# Altium PCB PMB.PcbDoc
Units mil, origin at the board's own origin, x right, y up, seen from the top; angles counter-clockwise.
Board outline 2500 x 2500 mil, 2 copper layers (PWR, GND), stack 61.811 mil thick; 41 components, 22 nets, 116 pads, 399 vias.
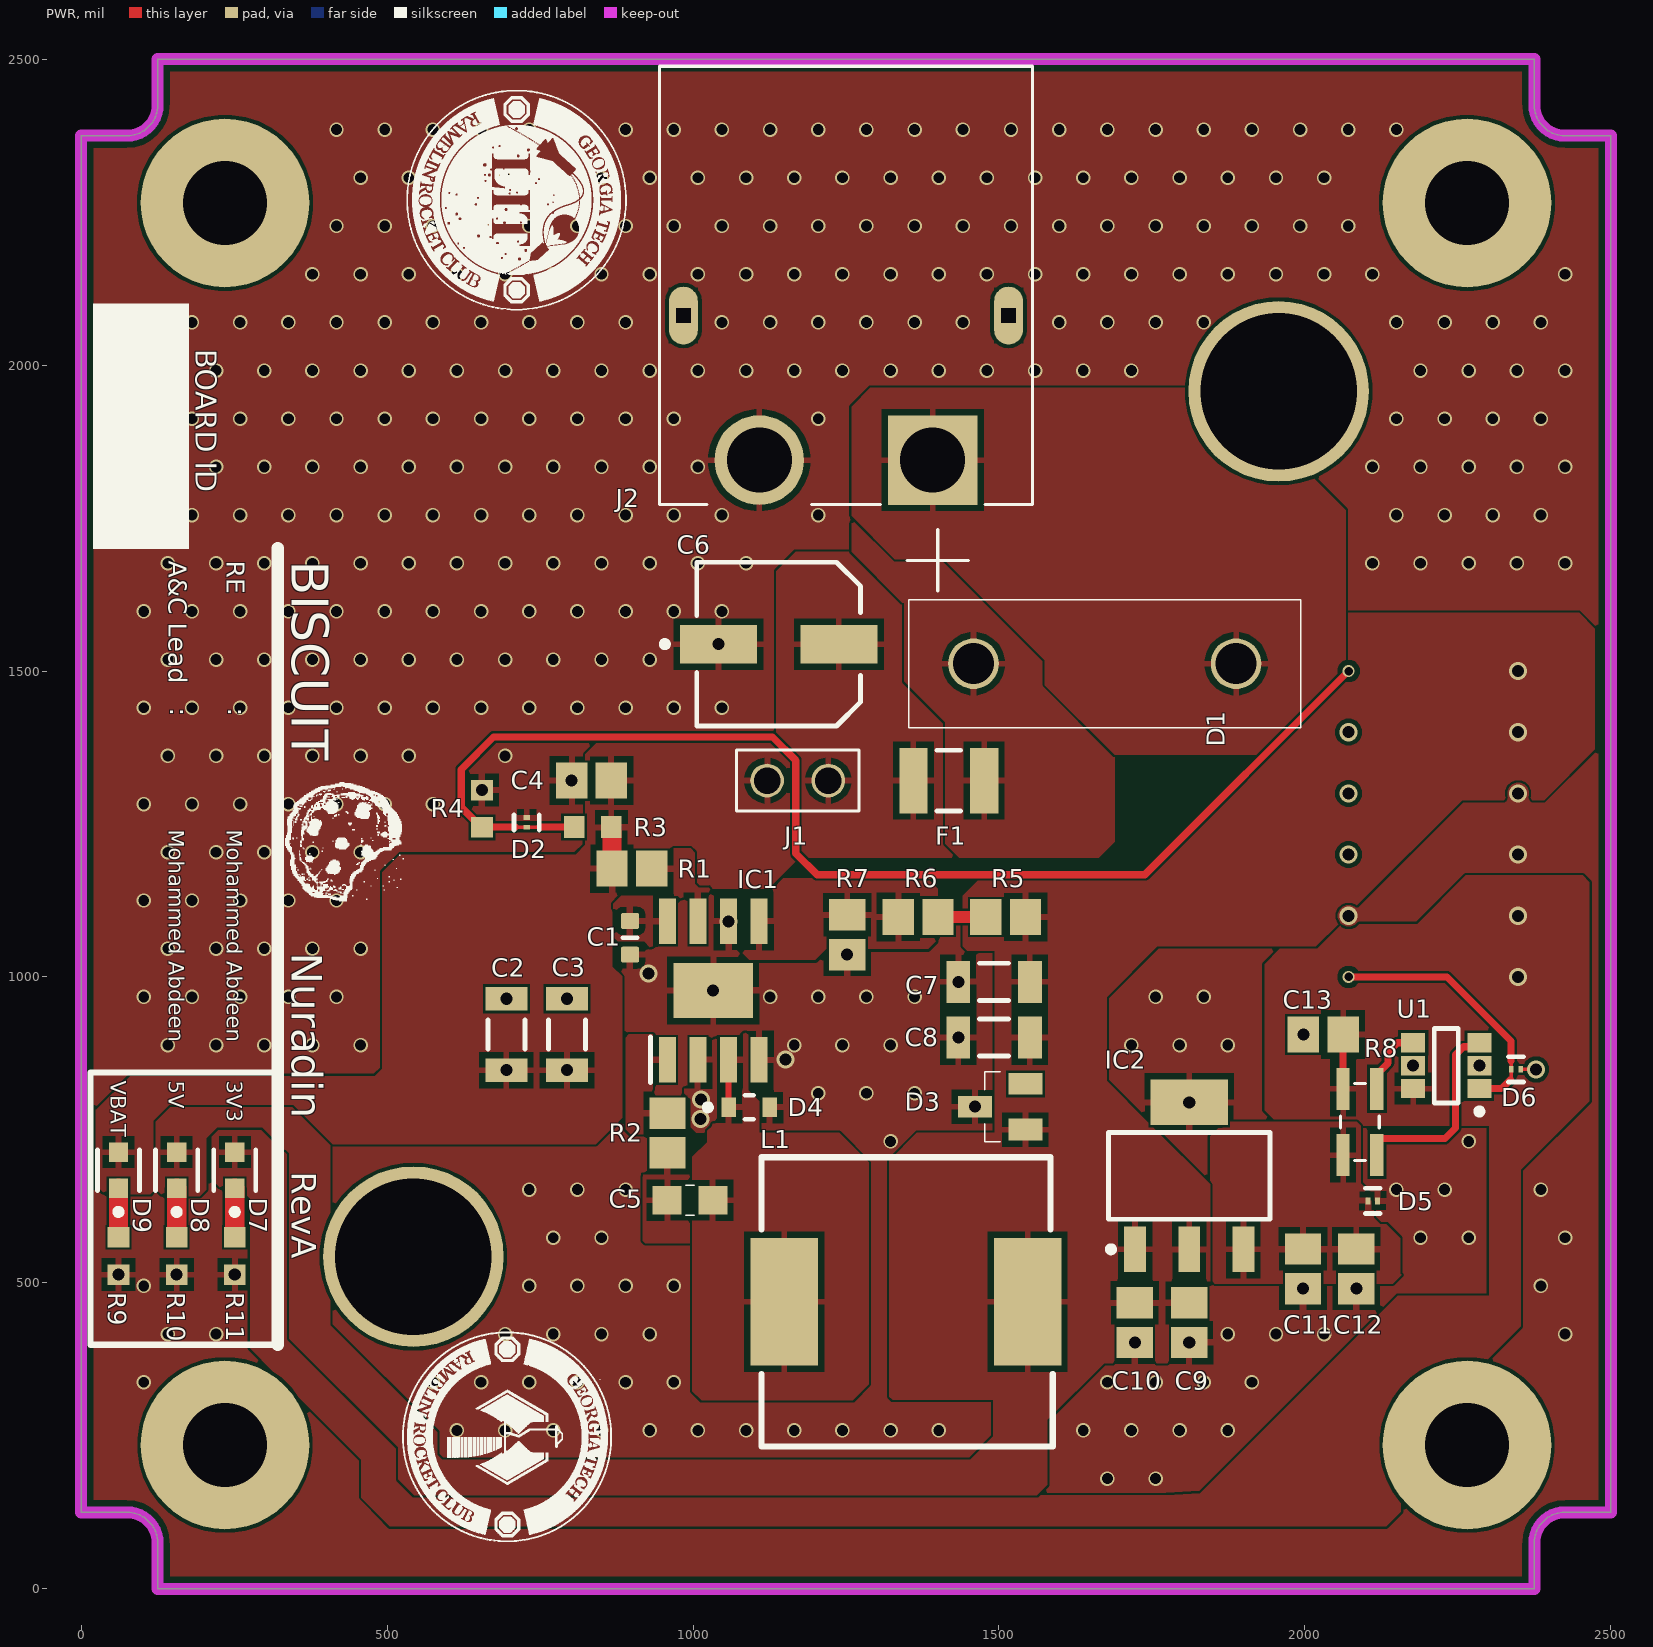
[diagram p0: PWR view]
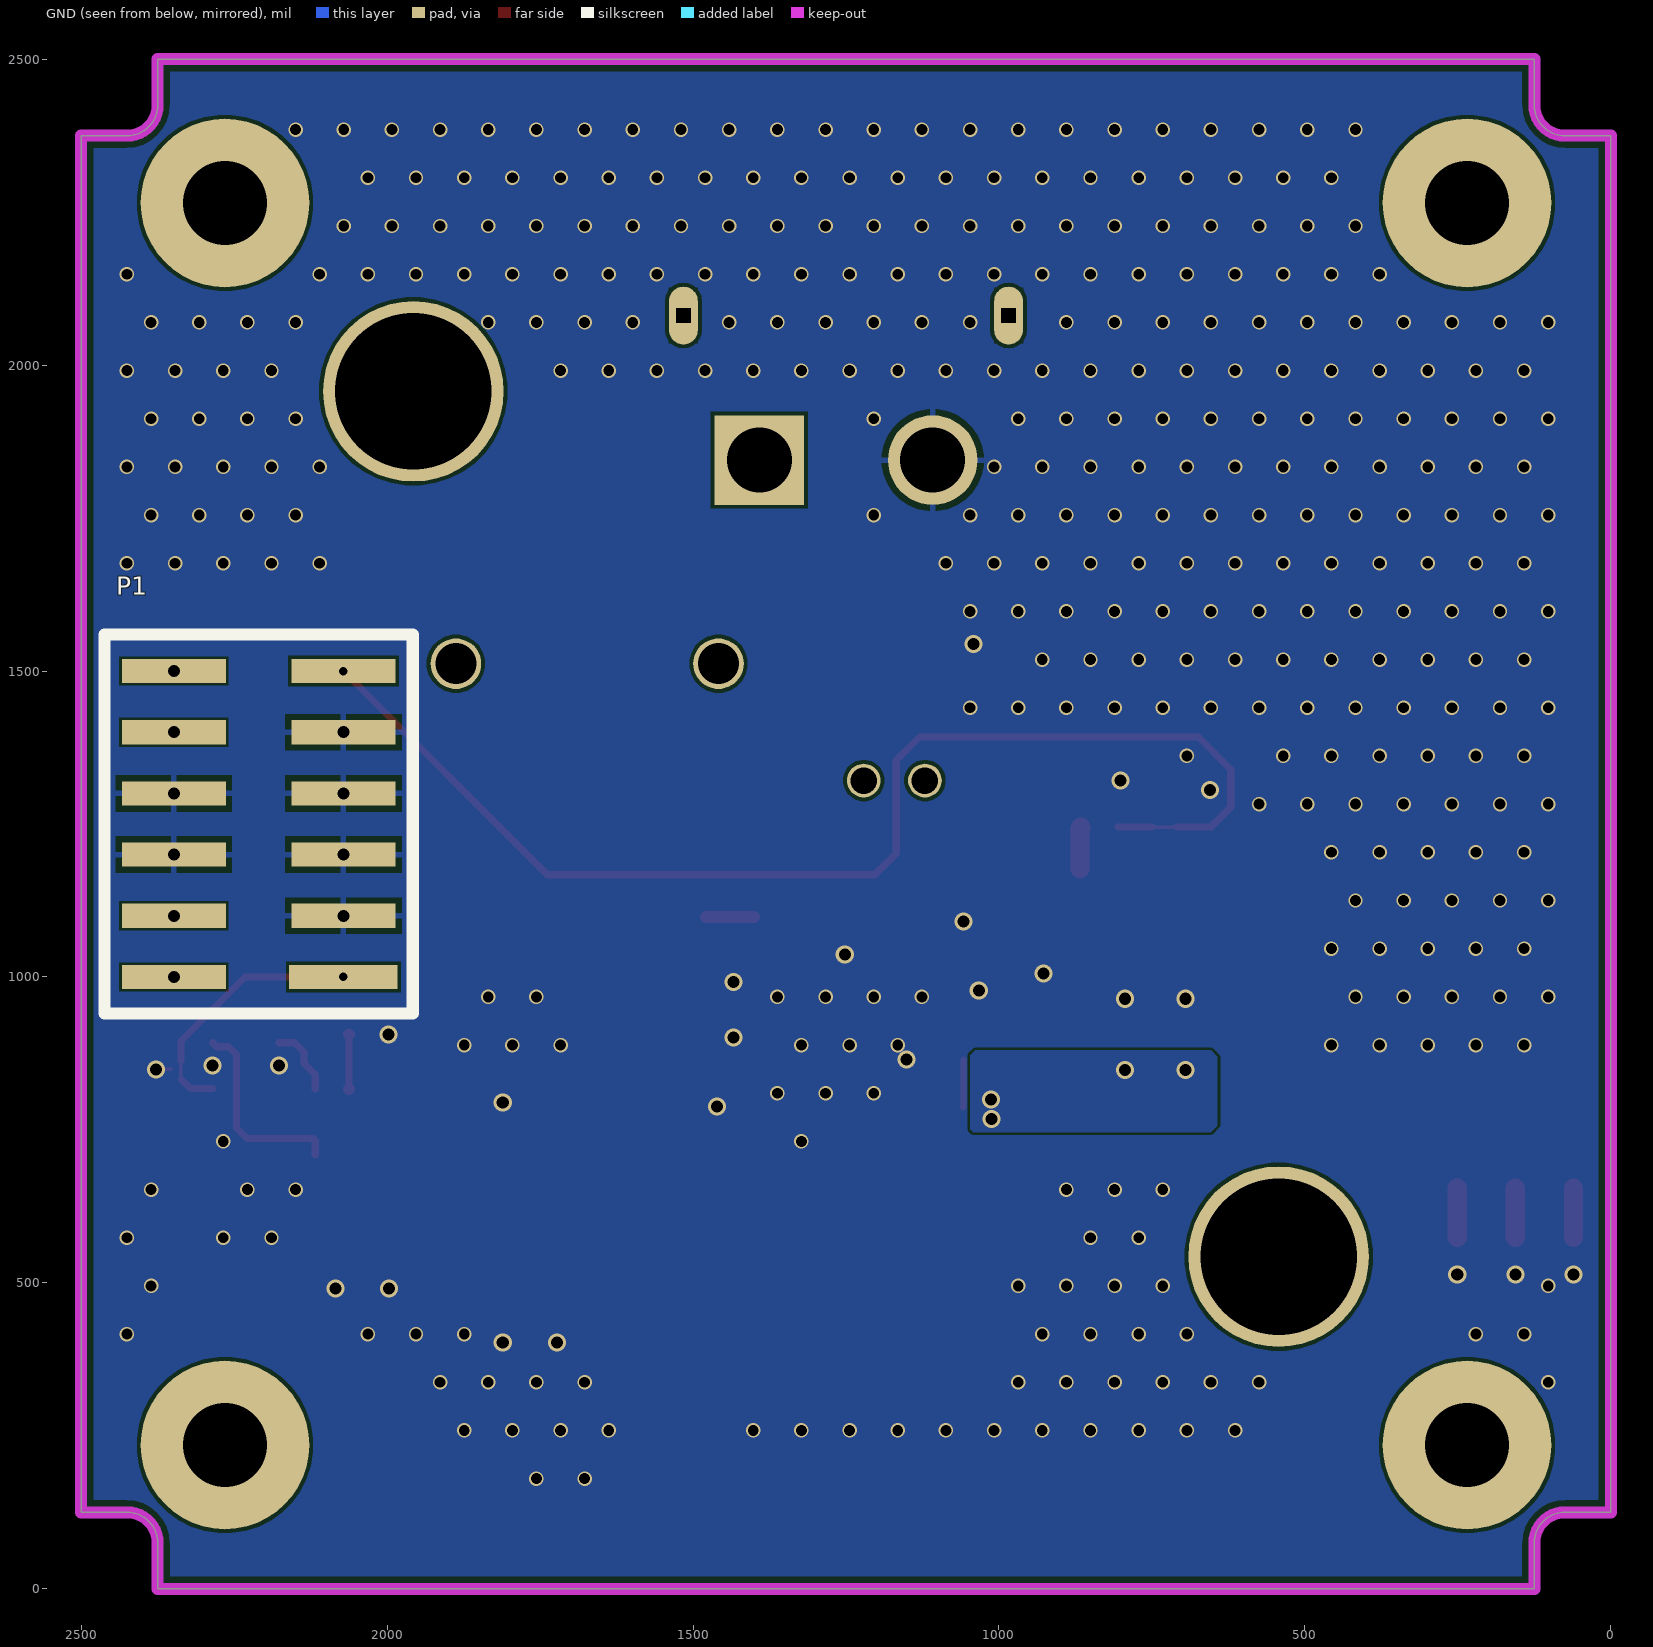
[diagram p1: GND view, seen from below]

## Layer stack, top to bottom
Top Solder: solder mask 0.1, Solder Resist, Dk 3.5
PWR: signal copper 1.378
Dielectric 1: dielectric 59.0551, FR-4, Dk 4.8
GND: signal copper 1.378
Bottom Solder: solder mask 0.1, Solder Resist, Dk 3.5

## Board outline
0,125 75,125 cw(c75,75) 125,75 125,0 2375,0 2375,75 cw(c2425,75) 2425,125 2500,125 2500,2375 2425,2375 cw(c2425,2425) 2375,2425 2375,2500 125,2500 125,2425 cw(c75,2425) 75,2375 0,2375

## Design rules (kind name [scope] priority, off if disabled: settings)
Clearance Clearance_1 [InNetClass('Feedback') And OnMid vs OnMid] p1: gap=3.94 ignorepadtopadclearanceinfootprint=FALSE except(5: SMDPad-SMDPad SMDPad-Fill SMDPad-Poly SMDPad-Region THPad-THPad Fill-Fill Fill-Poly Fill-Region Poly-Poly Poly-Region Region-Region; 6: SMDPad-Hole; 6.3: SMDPad-THPad; 7.87: Arc-SMDPad Arc-THPad Track-SMDPad Track-THPad SMDPad-Text THPad-Fill THPad-Poly THPad-Region THPad-Text Via-Fill Via-Poly Via-Region; 9.06: Arc-Arc Arc-Track Arc-Text Track-Track Track-Text Text-Text; 10: THPad-Via Via-Via Hole-Hole; 11.02: Arc-Hole Track-Hole THPad-Hole Via-Hole Text-Hole; 11.81: Fill-Hole Poly-Hole Region-Hole) sourcerule=47 cellrowname=Feedback cellrowtype=2 cellcolname=All cellcoltype=0 innerlayers=TRUE
Clearance Clearance_2 [InNetClass('Feedback') And (ExistsOnLayer('PWR') Or ExistsOnLayer('GND')) vs (ExistsOnLayer('PWR') Or ExistsOnLayer('GND'))] p2: gap=3.94 ignorepadtopadclearanceinfootprint=FALSE except(5: SMDPad-SMDPad SMDPad-Fill SMDPad-Poly SMDPad-Region THPad-THPad Fill-Fill Fill-Poly Fill-Region Poly-Poly Poly-Region Region-Region; 6: SMDPad-Hole; 6.3: SMDPad-THPad; 7.87: Arc-SMDPad Arc-THPad Track-SMDPad Track-THPad SMDPad-Text THPad-Fill THPad-Poly THPad-Region THPad-Text Via-Fill Via-Poly Via-Region; 9.06: Arc-Arc Arc-Track Arc-Text Track-Track Track-Text Text-Text; 10: THPad-Via Via-Via Hole-Hole; 11.02: Arc-Hole Track-Hole THPad-Hole Via-Hole Text-Hole; 11.81: Fill-Hole Poly-Hole Region-Hole) sourcerule=47 cellrowname=Feedback cellrowtype=2 cellcolname=All cellcoltype=0 outerlayers=TRUE
Clearance Clearance_3 [InNetClass('Feedback')] p3: gap=10 ignorepadtopadclearanceinfootprint=FALSE sourcerule=47 cellrowname=Feedback cellrowtype=2 cellcolname=All cellcoltype=0
Clearance Clearance_1 [InNetClass('Power') And OnMid vs OnMid] p4: gap=3.94 ignorepadtopadclearanceinfootprint=FALSE except(3.54: Arc-Arc Arc-Track Arc-Text Track-Track Track-Text Text-Text; 5.91: Arc-Hole Track-Hole SMDPad-SMDPad SMDPad-THPad THPad-THPad THPad-Via THPad-Fill THPad-Poly THPad-Region Via-Via Via-Fill Via-Poly Via-Region Text-Hole; 6: SMDPad-Hole; 7.87: THPad-Hole; 10: Hole-Hole; 11.02: Via-Hole; 11.81: Fill-Hole Poly-Hole Region-Hole) sourcerule=47 cellrowname=Power cellrowtype=2 cellcolname=All cellcoltype=0 innerlayers=TRUE
Clearance Clearance_2 [InNetClass('Power') And (ExistsOnLayer('PWR') Or ExistsOnLayer('GND')) vs (ExistsOnLayer('PWR') Or ExistsOnLayer('GND'))] p5: gap=3.94 ignorepadtopadclearanceinfootprint=FALSE except(3.54: Arc-Arc Arc-Track Arc-Text Track-Track Track-Text Text-Text; 5.91: Arc-Hole Track-Hole SMDPad-SMDPad SMDPad-THPad THPad-THPad THPad-Via THPad-Fill THPad-Poly THPad-Region Via-Via Via-Fill Via-Poly Via-Region Text-Hole; 6: SMDPad-Hole; 7.87: THPad-Hole; 10: Hole-Hole; 11.02: Via-Hole; 11.81: Fill-Hole Poly-Hole Region-Hole) sourcerule=47 cellrowname=Power cellrowtype=2 cellcolname=All cellcoltype=0 outerlayers=TRUE
Clearance Clearance_3 [InNetClass('Power')] p6: gap=10 ignorepadtopadclearanceinfootprint=FALSE sourcerule=47 cellrowname=Power cellrowtype=2 cellcolname=All cellcoltype=0
Clearance Clearance_1 [OnMid vs OnMid] p7: gap=3.94 ignorepadtopadclearanceinfootprint=FALSE except(3.54: Arc-Arc Arc-Track Arc-Text Track-Track Track-Text Text-Text; 5.91: SMDPad-SMDPad SMDPad-THPad THPad-THPad THPad-Via THPad-Fill THPad-Poly THPad-Region Via-Via Via-Fill Via-Poly Via-Region; 6: SMDPad-Hole; 10: Hole-Hole; 11.02: Arc-Hole Track-Hole THPad-Hole Via-Hole Text-Hole; 11.81: Fill-Hole Poly-Hole Region-Hole) sourcerule=47 cellrowname=All cellrowtype=0 cellcolname=All cellcoltype=0 innerlayers=TRUE
Clearance Clearance_2 [(ExistsOnLayer('PWR') Or ExistsOnLayer('GND')) vs (ExistsOnLayer('PWR') Or ExistsOnLayer('GND'))] p8: gap=3.94 ignorepadtopadclearanceinfootprint=FALSE except(3.54: Arc-Arc Arc-Track Arc-Text Track-Track Track-Text Text-Text; 5.91: SMDPad-SMDPad SMDPad-THPad THPad-THPad THPad-Via THPad-Fill THPad-Poly THPad-Region Via-Via Via-Fill Via-Poly Via-Region; 6: SMDPad-Hole; 10: Hole-Hole; 11.02: Arc-Hole Track-Hole THPad-Hole Via-Hole Text-Hole; 11.81: Fill-Hole Poly-Hole Region-Hole) sourcerule=47 cellrowname=All cellrowtype=0 cellcolname=All cellcoltype=0 outerlayers=TRUE
Clearance [All] p9: gap=10 ignorepadtopadclearanceinfootprint=FALSE ismatrix=TRUE miname0=Power mitype0=2 miname1=Feedback mitype1=2
HoleSize [All] p1: absolutevalues=TRUE maxlimit=354.33 minlimit=1 maxpercent=80.000 minpercent=20.000
HoleToHoleClearance [All] p1: gap=3.94 allowstackedmicrovias=TRUE
MinimumSolderMaskSliver [All] p1: minsoldermaskwidth=1.97
PolygonConnect PolygonConnectStyle_1 [InNetClass('Power')] p1: thpad.connectstyle=Relief thpad.reliefconductorwidth=10 thpad.reliefentries=4 thpad.polygonreliefangle="90 Angle" thpad.airgapwidth=10 smdpad.connectstyle=Relief smdpad.reliefconductorwidth=10 smdpad.reliefentries=4 smdpad.polygonreliefangle="90 Angle" smdpad.airgapwidth=10 via.connectstyle=Direct via.reliefconductorwidth=10 via.reliefentries=4 via.polygonreliefangle="90 Angle" via.airgapwidth=10
PolygonConnect PolygonConnectStyle_2 [InNetClass('Feedback')] p2: thpad.connectstyle=Relief thpad.reliefconductorwidth=10 thpad.reliefentries=4 thpad.polygonreliefangle="90 Angle" thpad.airgapwidth=10 smdpad.connectstyle=Relief smdpad.reliefconductorwidth=10 smdpad.reliefentries=4 smdpad.polygonreliefangle="90 Angle" smdpad.airgapwidth=10 via.connectstyle=Direct via.reliefconductorwidth=10 via.reliefentries=4 via.polygonreliefangle="90 Angle" via.airgapwidth=10
PolygonConnect [All] p3: connectstyle=Relief reliefconductorwidth=10 reliefentries=4 polygonreliefangle="90 Angle" airgapwidth=10
RoutingVias RoutingViaStyle_1 [InNetClass('Power')] p1: holewidth=19.68 width=29.53 viastyle="Through Hole" minholewidth=19.68 minwidth=29.53 maxholewidth=19.68 maxwidth=29.53
RoutingVias RoutingViaStyle_2 [InNetClass('Feedback')] p2: holewidth=13.78 width=19.68 viastyle="Through Hole" minholewidth=13.78 minwidth=19.68 maxholewidth=13.78 maxwidth=19.68
RoutingVias [All] p3: holewidth=19.68 width=29.53 viastyle="Through Hole" minholewidth=19.68 minwidth=29.53 maxholewidth=19.68 maxwidth=29.53
SilkToSilkClearance [All] p1: silktosilkclearance=0
SilkToSolderMaskClearance [IsPad] p1: minsilkscreentomaskgap=1.97 clearancetoexposedcopper=TRUE
SolderMaskExpansion [All] p1: expansion=1.97 istentingtop=TRUE
UnRoutedNet [All] p1: checkbadconnections=TRUE
Width MaxMinWidth_1 [InNetClass('Power')] p1: maxlimit=78.74 minlimit=5.91 preferedwidth=19.68 minimp=50.000000 maximp=50.000000 favimp=50.000000
Width [All] p2: maxlimit=39.37 minlimit=5.91 preferedwidth=9.84 minimp=50.000000 maximp=50.000000 favimp=50.000000
24 further rules are at their usual default settings.

## Classes and differential pairs
net class Feedback: FB IF IN+ IN- VF
net class Power: 3V3 3V3OP 5V GND NetC5_1 NetC5_2 NetC6_2 NetD1_1 NetD1_2 VBAT
component class Connections: P1

## Components (designator, comment, footprint, x,y, rotation, side; value= is the part's Value field where it differs from the comment)
C1 "GMK107B7104KAHT" 0603(1608)-CAP 897,1064 r90 top value=100nF
C2 "GRM31CR71C106KAC7L" 1206-RES 694.97,905.96 r270 top
C3 "GRM31CR71C106KAC7L" 1206-RES 793.97,905.96 r270 top
C4 "KGM21NR71E104KT" 0805-RES 834,1321 r0 top
C5 "KGM21NR71E104KT" CAP-0805 995,635 r180 top
C6 "EEE-FK1E470P" FP-FKD-MFG 1140,1544 r0 top
C7 "GRM31CR71C106KAC7L" 1206-RES 1492,992 r0 top
C8 "GRM31CR71C106KAC7L" 1206-RES 1492,901 r0 top
C9 "KGM21NR71E104KT" 0805-RES 1811,435 r90 top
C10 "KGM21NR71E104KT" 0805-RES 1722,435 r90 top
C11 "KGM21NR71E104KT" 0805-RES 1997,523 r90 top
C12 "KGM21NR71E104KT" 0805-RES 2084,523 r90 top
C13 "KGM21NR71E104KT" 0805-RES 2030,906 r0 top
D1 "APT60S20BG" APT60S20BG 1673,1512 r0 top
D2 "PESD3V3Y1BSFYL" FP-SOD962-2-CA-MFG 728.11,1252.51 r270 top
D3 "824021" 824021 1502,788 r90 top
D4 "NSR20F40NXT5G" 0603-SchottkyDIODE 1092,787 r0 top
D5 "PESD3V3Y1BSFYL" FP-SOD962-2-CA-MFG 2111,634 r180 top
D6 "PESD3V3Y1BSFYL" FP-SOD962-2-CA-MFG 2345,849 r180 top
D7 "LTST-C190KGKT" FP-LTST-C190KGKT-MFG 251,684 r90 top
D8 "LTST-C190KGKT" FP-LTST-C190KGKT-MFG 156,684 r90 top
D9 "LTST-C190KGKT" FP-LTST-C190KGKT-MFG 61,684 r90 top
F1 "MF-USHT050KX-2" 1210-IND 1418,1321 r180 top
IC1 "NR111E" SOIC-8-Thermally-Enhanced 1033,977.81 r90 top
IC2 "AP2114HA-3.3TRG1" TO-261AA 1811,675 r90 top
J1 "61300211121" HEADER-2-Pin 1171,1321 r180 top
J2 "PRT-10474" AMASS_XT60PW-M 1250,2081 r0 top
L1 "SRR1210-121M" SRR1210-121M 1348,469 r90 top
P1 "NPPC062KFMS-RC" NPPC062KFMS-RC 2210,1250 r90 bottom
R1 "RNCF0805BTE500K" 0805-RES 900,1177 r0 top
R2 "RC0805FR-0722RL" 0805-RES 958,745 r90 top
R3 "RC0603FR-075K1L" 0603-RES 836,1245 r0 top
R4 "ESR03EZPF1001" 0603-RES 655,1275 r270 top
R5 "RMCF0805JT12K0" 0805-RES 1511,1098 r0 top
R6 "RT0805BRE079KL" 0805-RES 1368,1098 r0 top
R7 "CRG0805F3K9" 0805-RES 1252,1069 r90 top
R8 "LVK12R075DER" LVK12R075DER 2090,763 r90 top
R9 "ERJ-3EKF2670V" 0603-RES 61,544 r270 top
R10 "ERJ-3EKF2670V" 0603-RES 156,544 r270 top
R11 "ERJ-3EKF2670V" 0603-RES 251,544 r270 top
U1 "INA181A3IDBVR" SOT95P280X145-6N 2231,855 r180 top

## Footprints (in the part's own frame and the unit in brackets; to place one, negate y for a bottom-side part, rotate by r counter-clockwise, add the part's x,y. Pads: shape width x height; smd on the part's side, far side on the other; paste and mask are expansions set on the pad)
0603(1608)-CAP [mm] "Chip Capacitor, Body 1.6x0.8mm, Height 1.0mm, IPC High Density"
  rrect25% 0.66x0.76 smd: 1(-0.7,0) 2(0.7,0)
  silkscreen extent 0,-0.3 0,0.3, body extent -0.8,-0.4 0.8,0.4, height 0.95
0603-RES [mm]
  rect 0.85x0.9 smd: 1(-0.775,0) 2(0.775,0)
  body extent -0.85,-0.45 0.85,0.45, height 0.55
0603-SchottkyDIODE [mm]
  rect 0.6x0.8 smd paste+0 mask+0: 1(-0.85,0) 2(0.85,0)
  silkscreen extent -1.85,-0.5 0.18,0.5, body extent -1.25,-0.6 1.25,0.6, height 0.25
0805-RES [mm]
  rect 1.3x1.5 smd: 1(-0.825,0) 2(0.825,0)
  body extent -1.12,-0.75 1.13,0.75, height 0.6
1206-RES [mm]
  rect 0.99x1.74 smd: 1(-1.485,0) 2(1.485,0)
  silkscreen extent -0.6,-0.77 0.6,0.77, body extent -1.6,-0.85 1.6,0.85, height 0.65
1210-IND [mm]
  rect 1.17x2.72 smd: 1(-1.47,0) 2(1.47,0)
  silkscreen extent -0.5,-1.26 0.5,1.26, body extent -1.7,-1.35 1.7,1.35, height 2.5
824021 [mm]
  rect 0.9x1.4 smd mask+0.05: 1(0,1.05) 2(-0.95,-1.05) 3(0.95,-1.05)
  silkscreen extent -1.45,0 1.45,0.65, body extent -1.45,-1.2 1.45,1.2, height 1.01
AMASS_XT60PW-M [mm]
  rect 3.716x3.716 / inner round 3.716 / far side rect 3.716x3.716 hole 2.7: 1(3.6,-6)
  round 3.716 hole 2.7: 2(-3.6,-6)
  oval 1.2x2.4 hole 0.6 square: S1(6.75,0) S2(-6.75,0)
  silkscreen extent -7.75,-11.43 7.75,10.35, body extent -7.75,-7.85 7.75,10.35, height 8.4
APT60S20BG [mm]
  round 2.1 hole 1.7 mask+0.05: 1(-5.45,0) 2(5.45,0)
  silkscreen extent -8.13,-2.66 8.13,2.66
CAP-0805 [mm]
  rect 1.2x1.2 smd mask+0.05: 1(-0.95,0) 2(0.95,0)
  silkscreen extent -0.18,-0.63 0.18,0.63, body extent -1,-0.5 1,0.5, height 0.72
FP-FKD-MFG [mm]
  rect 3.2x1.6 smd paste+0 mask+0: 1(-2.5,0) 2(2.5,0)
  silkscreen extent -4.85,-3.4 3.4,3.4, body extent -4.35,-3.65 4.35,3.65, height 0.25
FP-LTST-C190KGKT-MFG [mm]
  rect 0.8x0.8 smd paste+0 mask+0: 1(-0.75,0) 2(0.75,0)
  silkscreen extent -1.85,-0.87 0.85,0.87, body extent -1.25,-0.55 1.25,0.55, height 0.25
FP-SOD962-2-CA-MFG [mm]
  rect 0.2x0.28 smd paste-1000 mask-1000: 1(-0.2,0) 2(0.2,0)
  silkscreen extent -0.31,-0.53 0.31,0.53, body extent -0.43,-0.26 0.43,0.26, height 0.25
HEADER-2-Pin [mm]
  round 1.4 hole 1.1 mask+0.05: 1(-1.27,0) 2(1.27,0)
  silkscreen extent -2.54,-1.27 2.54,1.27, body extent -2.54,-1.27 2.54,1.27, height 8.55
LVK12R075DER [mm]
  rect 1.75x0.55 smd mask+0.05: 1(-1.375,0.7) 2(1.375,0.7) 3(-1.375,-0.7) 4(1.375,-0.7)
  silkscreen extent -1.6,-0.8 1.6,0.8, body extent -2.14,-1.14 2.14,1.14, height 0.75
NPPC062KFMS-RC [mm]
  rect 1x4.5 smd mask+0.05: 1(-6.35,-3.52)
  rect 1x4.32 smd mask+0.05: 2(-3.81,-3.52) 3(-1.27,-3.52) 4(1.27,-3.52) 5(3.81,-3.52) 6(6.35,-3.52) 7(6.35,3.52) 8(3.81,3.52) 9(1.27,3.52) 10(-1.27,3.52) 11(-3.81,3.52) 12(-6.35,3.52)
  silkscreen extent -7.87,-6.4 7.87,6.4, body extent -7.87,-3.43 7.87,3.43, height 7.59
SOIC-8-Thermally-Enhanced [mm] "Standard SOIC-8 symbol with thermal pad"
  rect 1.9x0.7 smd: 1(-2.875,1.905) 2(-2.875,0.635) 3(-2.875,-0.635) 4(-2.875,-1.905) 5(2.875,-1.905) 6(2.875,-0.635) 7(2.875,0.635) 8(2.875,1.905)
  rect 2.287x3.307 smd: 9(0,0)
  silkscreen extent -3.83,2.61 -1.92,2.61, body extent -3.2,-2.45 3.2,2.45, height 1.5
SOT95P280X145-6N [mm] "SOT23, 6-Leads, Body 2.90x2.80mm, Pitch 0.95mm, IPC Medium Density"
  rect 1x0.8 smd mask+0.05: 1(-1.375,0.95) 2(-1.375,0) 3(-1.375,-0.95) 4(1.375,0.95) 5(1.375,0) 6(1.375,-0.95)
  silkscreen extent -1.5,-1.55 0.5,2.02, body extent -0.88,-1.52 0.87,1.53, height 1.45
SRR1210-121M [mm]
  rect 5.3x2.8 smd mask+0.05: 1(0,5.05) 2(0,-5.05)
  silkscreen extent -6,-6 6,6, body extent -6.25,-6.25 6.25,6.25, height 10.11
TO-261AA [mm] "SOT223, 4-Leads, Body 6.50x7.00mm (avg), Pitch 2.25mm, IPC Medium Density"
  rect 1.9x0.9 smd: 1(-3.05,2.25) 2(-3.05,0) 3(-3.05,-2.25)
  rect 1.9x3.2 smd: 4(3.05,0)
  silkscreen extent -3.17,-3.35 1.8,3.37, body extent -3.5,-3.35 3.5,3.35, height 1.8

## Part data
C1: library part CMP-001-00083-1, "Ceramic Capacitor, Multilayer, Ceramic, 35V, 10% +Tol, 10% -Tol, X7R, 15% TC, 0.1uF, Surface Mount, 0603", Capacitor Type=Ceramic, Case/Package=0603, Max Operating Temperature=125°C, Min Operating Temperature=-55°C, Tolerance=10%, Voltage Rating=35V, Mounting Technology="Surface Mount", Pins=2, RoHS Compliant=Yes
C2 C3 C7 C8: library part CAP-1206-16V-10uF, "10 µF ±10% 16V Ceramic Capacitor X7R 1206 (3216 Metric)"
C4 C5 C9 C10 C11 C12 C13: library part CAP-0805-25V-100n, "0.1 µF ±10% 25V Ceramic Capacitor X7R 0805 (2012 Metric)"
C6: library part CAP-RADIALSMD-25V(BIAS), "47 µF 25 V Aluminum Electrolytic Capacitors Radial, Can - SMD 2000 Hrs @ 105°C", Manufacturer="Panasonic Electronic Components", Part number=EEE-FK1E470P
D1: library part SCHOTTKY-TH-200V-75A, "Diode 200 V 75A Through Hole TO-247 [B]"
D2 D5 D6: library part TVS-3V3-4V2, "3.7V (Typ) Clamp Ipp Tvs Diode Surface Mount DSN0603-2"
D3: library part TVS-6.1V-7V, "7V Clamp 15A (8/20µs) Ipp Tvs Diode Surface Mount SOT-23-3"
D4: library part SCHOTTKY-0603-40V-2A, "Diode 40 V 2A Surface Mount 2-DSN (1.6x0.8), (0603)", Manufacturer=onsemi, Part number=NSR20F40NXT5G
D7 D8 D9: library part LED-0603-Green_, "Green 571nm LED Indication - Discrete 2V 0603 (1608 Metric)"
F1: library part DC-FUSE-2.5A, "Polymeric PTC Resettable Fuse 30V 500 mA Ih Surface Mount 1210 (3225 Metric), Concave"
IC1: library part CMP-031-00008-2, "Integrated Circuit", Manufacturer_Name="SANKEN ELECTRIC CO.", Datasheet Link=https://datasheet.datasheetarchive.com/originals/distributors/Datasheets-DGA13/1278427.pdf, Design Item ID=NR111E, Height=1.498mm, Manufacturer_Part_Number=NR111E, Source=SamacSys.SchLib
IC2: library part LDO-6V-3V3, "Linear Voltage Regulator IC Positive Fixed 1 Output 1A SOT-223-3", Manufacturer="Diodes Incorporated", Part number=AP2114HA-3.3TRG1
J1: library part Header-2-Pin-Male, "Connector Header Through Hole 2 position 0.100\" (2.54mm)", Manufacturer="Würth Elektronik", Part number=61300211121
J2: library part XT60-F, "XT60 CONNECTORS FEMALE PAIR"
L1: library part IND-120uH-2.3A, "120 µH Shielded Drum Core, Wirewound Inductor 2.3 A 170mOhm Max Nonstandard"
P1: library part BoardToBoard_Top, "12 Position Receptacle Connector 0.100\" (2.54mm) Through Hole Gold"
R1: library part RES-0805-500k, "500 kOhms ±0.1% 0.125W, 1/8W Chip Resistor 0805 (2012 Metric) Automotive AEC-Q200 Thin Film"
R2: library part RES-0805-22R, "22 Ohms ±1% 0.125W, 1/8W Chip Resistor 0805 (2012 Metric) Moisture Resistant Thick Film"
R3: library part RES-0603-5.1k, "5.1 kOhms ±1% 0.1W, 1/10W Chip Resistor 0603 (1608 Metric) Moisture Resistant Thick Film", Manufacturer=YAGEO, Part number=RC0603FR-075K1L
R4: library part RES-0603-1k_, "1 kOhms ±1% 0.25W, 1/4W Chip Resistor 0603 (1608 Metric) Automotive AEC-Q200, Pulse Withstanding Thick Film"
R5: library part RES-0805-12k, "12 kOhms ±5% 0.125W, 1/8W Chip Resistor 0805 (2012 Metric) Automotive AEC-Q200 Thick Film"
R6: library part RES-0805-9k, "9 kOhms ±0.1% 0.125W, 1/8W Chip Resistor 0805 (2012 Metric) Thin Film"
R7: library part RES-0805-3.9k, "3.9 kOhms ±1% 0.125W, 1/8W Chip Resistor 0805 (2012 Metric) Thick Film"
R8: library part RES-1206-75m-KELVIN, "75 mOhms ±0.5% 0.5W, 1/2W Chip Resistor 1206 (3216 Metric) Anti-Corrosive, Current Sense, Moisture Resistant Thick Film"
R9 R10 R11: library part RES-0603-267R, "267 Ohms ±1% 0.1W, 1/10W Chip Resistor 0603 (1608 Metric) Automotive AEC-Q200 Thick Film", Manufacturer="Panasonic Electronic Components", Part number=ERJ-3EKF2670V
U1: library part AMP-100V/V-SOT23-6, "Current Sense Amplifier 1 Circuit Rail-to-Rail SOT-23-6", Manufacturer="Texas Instruments", Part number=INA181A3IDBVR

## Free pads (board coordinates)
  round 275.59 hole 137.8 mask+1.97: ""(235,235) ""(235,2265) ""(2265,235) ""(2265,2265)
  round 295.28 hole 256 mask+1.97: ""(542.89,542.89) ""(1957.11,1957.11)

## Via types
v1: diameter 23.62, hole 17.72, PWR to GND, tented both sides, 358 vias
v2: diameter 29.53, hole 19.68, PWR to GND, tented both sides, 39 vias
v3: diameter 19.68, hole 13.78, PWR to GND, tented both sides, 2 vias

## Nets (pads, with @x,y where several pads share a name; then routed paths per layer and width w, separated by ;. In a path a pad name is that pad's centre, name@x,y a point inside that pad or via, vN(x,y) a via of type N, cw(c..) or ccw(c..) an arc to the next point about the centre after c; other vN are vias at no path point)
3V3: C13.2 D7.2 P1.11 P1.12 R8.2 U1.4 | length 88.9
  PWR w11.81: R8.2@2062.46,817.15 C13.2
  other v2: 2348.58,1000 2348.58,1100
3V3OP: C11.2 C12.2 D5.2 IC2.3 R8.1
5V: C7.2 C8.2 C9.2 C10.2 D3.2 D8.2 IC2.1 IC2.2 L1.2 P1.7 P1.8 R5.2
  other v2: 2348.58,1400 2348.58,1500
FB: IC1.5 R6.1 R7.2
GND: C1.1 C2.1 C3.1 C4.1 C6.1 C7.1 C8.1 C9.1 C10.1 C11.1 C12.1 C13.1 D2.1 D3.1 D4.2 D5.1 D6.1 IC1.4 IC1.6 IC1.9 IC2.4 J2.2 P1.2 P1.3 P1.4 P1.5 P1.9 P1.10 R4.1 R7.1 R9.2 R10.2 R11.2 U1.2 U1.5 | length 25.1
  PWR w5.91: D6.1 v2(2378,849)
  other v1: 1677.17,180.1 1755.91,180.1 614.17,258.84 692.91,258.84 771.65,258.84 850.39,258.84 929.13,258.84 1007.88,258.84 1086.62,258.84 1165.36,258.84 1244.1,258.84 1322.84,258.84 1401.58,258.84 1637.8,258.84 1716.54,258.84 1795.28,258.84 1874.02,258.84 102.36,337.58 574.8,337.58 653.54,337.58 732.28,337.58 811.02,337.58 889.76,337.58 968.51,337.58 1677.17,337.58 1755.91,337.58 1834.65,337.58 1913.39,337.58 141.73,416.32 220.47,416.32 692.91,416.32 771.65,416.32 850.39,416.32 929.13,416.32 1874.02,416.32 1952.76,416.32 2031.5,416.32 2425.2,416.32 102.36,495.06 732.28,495.06 811.02,495.06 889.76,495.06 968.51,495.06 2385.83,495.06 771.65,573.8 850.39,573.8 2188.98,573.8 2267.72,573.8 2425.2,573.8 732.28,652.54 811.02,652.54 889.76,652.54 2149.61,652.54 2228.35,652.54 2385.83,652.54 1322.84,731.28 2267.72,731.28 1204.73,810.02 1283.47,810.02 1362.21,810.02 141.73,888.76 220.47,888.76 299.21,888.76 377.95,888.76 456.69,888.76 1165.36,888.76 1244.1,888.76 1322.84,888.76 1716.54,888.76 1795.28,888.76 1874.02,888.76 102.36,967.51 181.1,967.51 259.84,967.51 338.58,967.51 417.32,967.51 1125.99,967.51 1204.73,967.51 1283.47,967.51 1362.21,967.51 1755.91,967.51 1834.65,967.51 141.73,1046.25 220.47,1046.25 299.21,1046.25 377.95,1046.25 456.69,1046.25 102.36,1124.99 181.1,1124.99 259.84,1124.99 338.58,1124.99 417.32,1124.99 141.73,1203.73 220.47,1203.73 299.21,1203.73 377.95,1203.73 456.69,1203.73 102.36,1282.47 181.1,1282.47 259.84,1282.47 338.58,1282.47 417.32,1282.47 496.06,1282.47 574.8,1282.47 141.73,1361.21 220.47,1361.21 299.21,1361.21 377.95,1361.21 456.69,1361.21 535.43,1361.21 692.91,1361.21 102.36,1439.95 181.1,1439.95 259.84,1439.95 338.58,1439.95 417.32,1439.95 496.06,1439.95 574.8,1439.95 653.54,1439.95 732.28,1439.95 811.02,1439.95 889.76,1439.95 968.51,1439.95 1047.25,1439.95 141.73,1518.69 220.47,1518.69 299.21,1518.69 377.95,1518.69 456.69,1518.69 535.43,1518.69 614.17,1518.69 692.91,1518.69 771.65,1518.69 850.39,1518.69 929.13,1518.69 102.36,1597.43 181.1,1597.43 259.84,1597.43 338.58,1597.43 417.32,1597.43 496.06,1597.43 574.8,1597.43 653.54,1597.43 732.28,1597.43 811.02,1597.43 889.76,1597.43 968.51,1597.43 1047.25,1597.43 141.73,1676.17 220.47,1676.17 299.21,1676.17 377.95,1676.17 456.69,1676.17 535.43,1676.17 614.17,1676.17 692.91,1676.17 771.65,1676.17 850.39,1676.17 929.13,1676.17 1007.88,1676.17 1086.62,1676.17 2110.24,1676.17 2188.98,1676.17 2267.72,1676.17 2346.46,1676.17 2425.2,1676.17 102.36,1754.91 181.1,1754.91 259.84,1754.91 338.58,1754.91 417.32,1754.91 496.06,1754.91 574.8,1754.91 653.54,1754.91 732.28,1754.91 811.02,1754.91 889.76,1754.91 968.51,1754.91 1047.25,1754.91 1204.73,1754.91 2149.61,1754.91 2228.35,1754.91 2307.09,1754.91 2385.83,1754.91 141.73,1833.65 220.47,1833.65 299.21,1833.65 377.95,1833.65 456.69,1833.65 535.43,1833.65 614.17,1833.65 692.91,1833.65 771.65,1833.65 850.39,1833.65 929.13,1833.65 1007.88,1833.65 2110.24,1833.65 2188.98,1833.65 2267.72,1833.65 2346.46,1833.65 2425.2,1833.65 102.36,1912.39 181.1,1912.39 259.84,1912.39 338.58,1912.39 417.32,1912.39 496.06,1912.39 574.8,1912.39 653.54,1912.39 732.28,1912.39 811.02,1912.39 889.76,1912.39 968.51,1912.39 1204.73,1912.39 2149.61,1912.39 2228.35,1912.39 2307.09,1912.39 2385.83,1912.39 141.73,1991.13 220.47,1991.13 299.21,1991.13 377.95,1991.13 456.69,1991.13 535.43,1991.13 614.17,1991.13 692.91,1991.13 771.65,1991.13 850.39,1991.13 929.13,1991.13 1007.88,1991.13 1086.62,1991.13 1165.36,1991.13 1244.1,1991.13 1322.84,1991.13 1401.58,1991.13 1480.32,1991.13 1559.06,1991.13 1637.8,1991.13 1716.54,1991.13 2188.98,1991.13 2267.72,1991.13 2346.46,1991.13 2425.2,1991.13 102.36,2069.87 181.1,2069.87 259.84,2069.87 338.58,2069.87 417.32,2069.87 496.06,2069.87 574.8,2069.87 653.54,2069.87 732.28,2069.87 811.02,2069.87 889.76,2069.87 1047.25,2069.87 1125.99,2069.87 1204.73,2069.87 1283.47,2069.87 1362.21,2069.87 1440.95,2069.87 1598.43,2069.87 1677.17,2069.87 1755.91,2069.87 1834.65,2069.87 2149.61,2069.87 2228.35,2069.87 2307.09,2069.87 2385.83,2069.87 377.95,2148.61 456.69,2148.61 535.43,2148.61 614.17,2148.61 692.91,2148.61 771.65,2148.61 850.39,2148.61 929.13,2148.61 1007.88,2148.61 1086.62,2148.61 1165.36,2148.61 1244.1,2148.61 1322.84,2148.61 1401.58,2148.61 1480.32,2148.61 1559.06,2148.61 1637.8,2148.61 1716.54,2148.61 1795.28,2148.61 1874.02,2148.61 1952.76,2148.61 2031.5,2148.61 2110.24,2148.61 2425.2,2148.61 417.32,2227.35 496.06,2227.35 574.8,2227.35 653.54,2227.35 732.28,2227.35 811.02,2227.35 889.76,2227.35 968.51,2227.35 1047.25,2227.35 1125.99,2227.35 1204.73,2227.35 1283.47,2227.35 1362.21,2227.35 1440.95,2227.35 1519.69,2227.35 1598.43,2227.35 1677.17,2227.35 1755.91,2227.35 1834.65,2227.35 1913.39,2227.35 1992.13,2227.35 2070.87,2227.35 456.69,2306.09 535.43,2306.09 614.17,2306.09 692.91,2306.09 771.65,2306.09 850.39,2306.09 929.13,2306.09 1007.88,2306.09 1086.62,2306.09 1165.36,2306.09 1244.1,2306.09 1322.84,2306.09 1401.58,2306.09 1480.32,2306.09 1559.06,2306.09 1637.8,2306.09 1716.54,2306.09 1795.28,2306.09 1874.02,2306.09 1952.76,2306.09 2031.5,2306.09 417.32,2384.83 496.06,2384.83 574.8,2384.83 653.54,2384.83 732.28,2384.83 811.02,2384.83 889.76,2384.83 968.51,2384.83 1047.25,2384.83 1125.99,2384.83 1204.73,2384.83 1283.47,2384.83 1362.21,2384.83 1440.95,2384.83 1519.69,2384.83 1598.43,2384.83 1677.17,2384.83 1755.91,2384.83 1834.65,2384.83 1913.39,2384.83 1992.13,2384.83 2070.87,2384.83 2149.61,2384.83
  other v2: 1722,402.52 1811,402.52 1997,490.52 2084,490.52 61,513.49 156,513.49 251,513.49 1460.66,788 1811,795.08 2176.87,855 2285.13,855 1151,865 1433.54,901 1997.52,906 694.97,964.42 793.97,964.42 1033,977.81 1433.54,992 927,1006 1252,1036.52 1058,1091 2071.42,1100 2071.42,1200 2348.58,1200 2071.42,1300 2348.58,1300 655,1305.51 801.52,1321 2071.42,1400 1041.57,1544
IF: D6.2 P1.1 U1.1 | length 429.7
  PWR w5.91: 2336,832.05 2337.13,833.18 D6.2 2337.13,862.87 2337,863
  PWR w11.81: v3(2071.42,1000) 2232.46,1000 2337,895.46 2337,863 ; U1.1 2321.55,817.6 2336,832.05
IN+: R8.3 U1.3 | length 327.8
  PWR w11.81: R8.3 2117.56,732.49 2120.89,735.81 2228.81,735.81 2246,753 2246,873.04 2259.08,886.12 2278.85,886.12 U1.3
IN-: R8.4 U1.6 | length 114.9
  PWR w11.81: R8.4 2117.56,840.76 2136.03,859.23 2136.03,877.26 2151.18,892.4 U1.6
NetC1_2: C1.2 IC1.8
NetC5_1: C5.1 D4.1 IC1.3 L1.1 | length 77.8
  PWR w10: IC1.3 1058.27,864.35 1058.27,787.27 D4.1
NetC5_2: C5.2 R2.1
NetC6_2: C6.2 F1.2 J1.1
NetD1_1: D1.1 F1.1
NetD1_2: D1.2 J2.1
NetD7_1: D7.1 R11.1 | length 80
  PWR w31.5: R11.1 D7.1
NetD8_1: D8.1 R10.1 | length 80
  PWR w31.5: R10.1 D8.1
NetD9_1: D9.1 R9.1 | length 80
  PWR w31.5: R9.1 D9.1
NetIC1_1: IC1.1 R2.2
NetIC1_7: IC1.7 R1.2
NetR5_1: R5.1 R6.2 | length 78
  PWR w19.68: R6.2 R5.1
VBAT: C2.2 C3.2 C4.2 D9.2 IC1.2 J1.2 R1.1 R3.2 | length 68.9
  PWR w11.81: C3.2 v2(794,848)
  PWR w31.5: R3.2 866.51,1244.02 867.52,1243.01 R1.1
  other v2: 1011.88,767.73 1013,800 695,848
VF: D2.2 P1.6 R3.1 R4.2 | length 2052.7
  PWR w5.91: 710,1245 710.36,1244.64 D2.2 728.47,1245 749,1245
  PWR w11.81: 710,1245 654.53,1245 654.02,1244.49 621,1277.5 621,1339 674,1392 1130,1392 1168,1354 1168,1201.98 1202.98,1167 1738.42,1167 v3(2071.42,1500) ; 749,1245 R3.1
pads on no net: D3.3 J2.S1 J2.S2

## Polygon pours and split planes (outlines as drawn)
NetC5_1 on PWR "NONET_L01_P-001" (solid, remove dead copper, pour order 8): 1032.15,904.11 1023,894.96 1023,730 999,706 999,323 1014,308 1261,308 1287,334 1287,697 1239,745 1108,745 1108,797 1090,815 1090,906 1085,911 1038,911 1032.15,905.15
GND on PWR "NONET_L01_P-001" (solid, remove dead copper, pour order 17): 7,2373 cw(c9.41,2370.59) 9.41,2374 72,2374 ccw(c72,2436.77) 116.38,2392.38 127,2403 ccw(c122.17,2407.83) 129,2407.83 129,2498 2377,2498 cw(c2367.34,2488.34) 2381,2488.34 2381,2413 ccw(c2395.49,2413) 2385.24,2402.76 2413,2375 ccw(c2420.24,2382.24) 2420.24,2372 2503,2372 2503,128.41 cw(c2499.59,128.41) 2502,126 cw(c2492.34,135.66) 2492.34,122 2416,122 ccw(c2416,119.59) 2414.29,121.29 2383,90 ccw(c2395.07,77.93) 2378,77.93 2378,6 2377.07,5.07 cw(c2360,22.14) 2360,-2 148.31,-2 cw(c148.31,25.31) 129,6 cw(c138.66,15.66) 125,15.66 125,91 101.07,114.93 ccw(c84,97.86) 84,122 17.07,122 cw(c17.07,139.07) 5,127 cw(c14.66,136.66) 1,136.66 1,2360.93 cw(c18.07,2360.93) 6,2373
3V3 on PWR "NONET_L01_P-001" (solid, remove dead copper, pour order 16): 2301,479 2152,479 1829,156 1773,153 544,153 518,179 518,231 340,409 340,712 334.5,717.5 332.5,717.5 296,754 223,754 213,744 213,670 240,643 270.68,643 276,637.68 276,393 458,211 458,149 467,140 504,102 2133,102 2157,126 2157,233 2353,429 2353,685 2465,797 2465,1155 2454,1166 2263,1166 2183.4,1086.4 2054.4,1086.4 2018,1050 1963,1050 1934,1021 1934,782 1959,757 2301,757
3V3OP on PWR "NONET_L01_P-001" (solid, remove dead copper, pour order 15): 2144,499 2158,513 2156,515 2156,573 2132.93,596.07 2122.93,596.07 2112.36,606.64 2112.36,641.64 2091,663 2091,757 2085,763 1875,763 1865,753 1858,753 1845,740 1845,503.07 1849.07,499
NetIC1_7 on PWR "NONET_L01_P-001" (solid, pour order 1): 897.93,1200 907.93,1210 996,1210 1003,1203 1003,1152 1009,1146 1027,1146 1037,1136 1037,1044 1034,1041 994,1041 984,1051 984,1123.53 974.53,1133 908,1133 898,1143 898,1148
FB on PWR "NONET_L01_P-001" (solid, remove dead copper, pour order 14): 1384.17,1046.17 1217.47,1046.17 1200,1028 1092,1028 1081,1039 1081,1142 1100,1161 1383,1161 1400,1144 1400,1062
5V on PWR "NONET_L01_P-001" (solid, remove dead copper, pour order 13): 118,658 134,642 194,642 204,652 204,736 222,754 296,754 332.5,717.5 334.5,717.5 340,712 340,409 518,231 518,179 544,153 1562,153 1579,170 1579,276 1672,369 1822,369 1845,392 1845,661 1676,830 1676,967 1759,1050 2018,1050 2257,1289 2391,1289 2474,1372 2474,1569 2448,1595 1903,1595 1441,1133 1441,1050 1448,1043 1493,1043 1493,745 1366,745 1321,700 1321,314 1326,309 1491,309 1491,249 1453,211 590,211 582,219 582,256 407,431 407,731 347,791 144,791 118,765
NetC5_2 on PWR "NONET_L01_P-001" (solid, remove dead copper, pour order 12): 924.47,749 1001,749 1013,737 1013,571 1007,565 922,565 918,569 918,742.53
NetIC1_1 on PWR "NONET_L01_P-001" (solid, remove dead copper, pour order 10): 986,906 991.46,900.54 991.46,744.46 990,743 898,743 890,751 890,901 895,906
VBAT on PWR "NONET_L01_P-001" (solid, pour order 9): 1030.7,908 1038.5,900.2 1038.5,751.5 1032,745 1005,745 996,754 996,800 986,810 986,906 988,908
VBAT on PWR "NONET_L01_P-001" (solid, remove dead copper, pour order 7): 411,727 347,791 144,791 118,765 118,650 113,645 39,645 24,660 24,783 25,783 80,838 480,838 492,850 492,1171 521,1200 808,1200 824,1216 824,1364 852,1392 1130,1392 1168,1354 1168,1189 1123,1144 891,1144 888.82,1141.82 888.82,1123.18 868,1102.36 868,1017 884,1001 884,770 841,727
NetC6_2 on PWR "NONET_L01_P-001" (solid, remove dead copper, pour order 6): 1435,1195 1189,1195 1165,1219 1165,1351 1136,1380 1136,1663 1168,1695 1259,1695 1342,1612 1343.5,1612 1345,1610.5 1345,1483 1412,1416 1412,1218
NetD1_1 on PWR "NONET_L01_P-001" (solid, remove dead copper, pour order 4): 1259,1754 1330,1683 1410,1683 1575,1518 1575,1477 1689,1363 1689,1221 1663,1195 1435,1195 1412,1218 1412,1416 1345,1483 1345,1612 1342,1612 1259,1695
NetD1_2 on PWR "NONET_L01_P-001" (solid, remove dead copper, pour order 3): 1259,1932 1290,1963 1867,1963 2067,1763 2067,1406 2024,1363 1689,1363 1575,1477 1575,1518 1410,1683 1330,1683 1259,1754 1259,1864
NetC1_2 on PWR "NONET_L01_P-001" (solid, remove dead copper, pour order 2): 877,1058 920,1058 944,1034 969,1034 981,1046 981,1124 972,1133 883,1133 870,1120 870,1065
no net on Top Overlay "NONET_L01_P-001" (solid): 20,2100 20,1700 176,1700 176,2100
GND on GND "NONET_L01_P-001" (solid, remove dead copper, pour order 18): 4,2379 cw(c6.41,2376.59) 6.41,2380 69,2380 ccw(c69,2442.77) 113.38,2398.38 124,2409 ccw(c119.17,2413.83) 126,2413.83 126,2504 2374,2504 cw(c2364.34,2494.34) 2378,2494.34 2378,2419 ccw(c2392.49,2419) 2382.24,2408.76 2410,2381 ccw(c2417.24,2388.24) 2417.24,2378 2500,2378 2500,134.41 cw(c2496.59,134.41) 2499,132 cw(c2489.34,141.66) 2489.34,128 2413,128 ccw(c2413,125.59) 2411.29,127.29 2380,96 ccw(c2392.07,83.93) 2375,83.93 2375,12 2374.07,11.07 cw(c2357,28.14) 2357,4 145.31,4 cw(c145.31,31.31) 126,12 cw(c135.66,21.66) 122,21.66 122,97 98.07,120.93 ccw(c81,103.86) 81,128 14.07,128 cw(c14.07,145.07) 2,133 cw(c11.66,142.66) -2,142.66 -2,2366.93 cw(c15.07,2366.93) 3,2379
VBAT on GND "NONET_L01_P-001" (solid, pour order 5): 653,880 643,870 643,757 654,746 1042,746 1047,751 1047,872 1039,880

## Keep-outs
Keep-Out Layer:
  the board outline again, w19.68

## Silkscreen, mask and mechanical layers (free items; w line width, h text height)
Top Overlay:
  drawing of 171 lines, arcs and shapes, not listed
  text "BOARD ID" at 187,2026 h34 r270
  text "A&C Lead" at 143,1680 h30 r270
  text "RE" at 238,1680 h30 r270
  text "BISCUIT" at 344,1680 h60 r270
  text ":" at 167,1426 h30 r90
  text ":" at 262,1426 h30 r90
  text "Mohammed Abdeen" at 143,1241 h25 r270
  text "Mohammed Abdeen" at 238,1241 h25 r270
  text "Nuradin" at 344,1039.81 h50 r270
  text "VBAT" at 48,830 h25 r270
  text "5V" at 143,830 h25 r270
  text "3V3" at 238,830 h25 r270
  text "RevA" at 344,682 h40 r270